# Altium PCB SPEC-A7.PcbDoc (part 10 of 10)
Units mm, origin at the board's own origin, x right, y up, seen from the top; angles counter-clockwise.
Board outline 160 x 100 mm, 6 copper layers (Top Layer, L2, L3, L4, L5, Bottom Layer), stack 1.61 mm thick; 746 components, 489 nets, 2774 pads, 1740 vias.
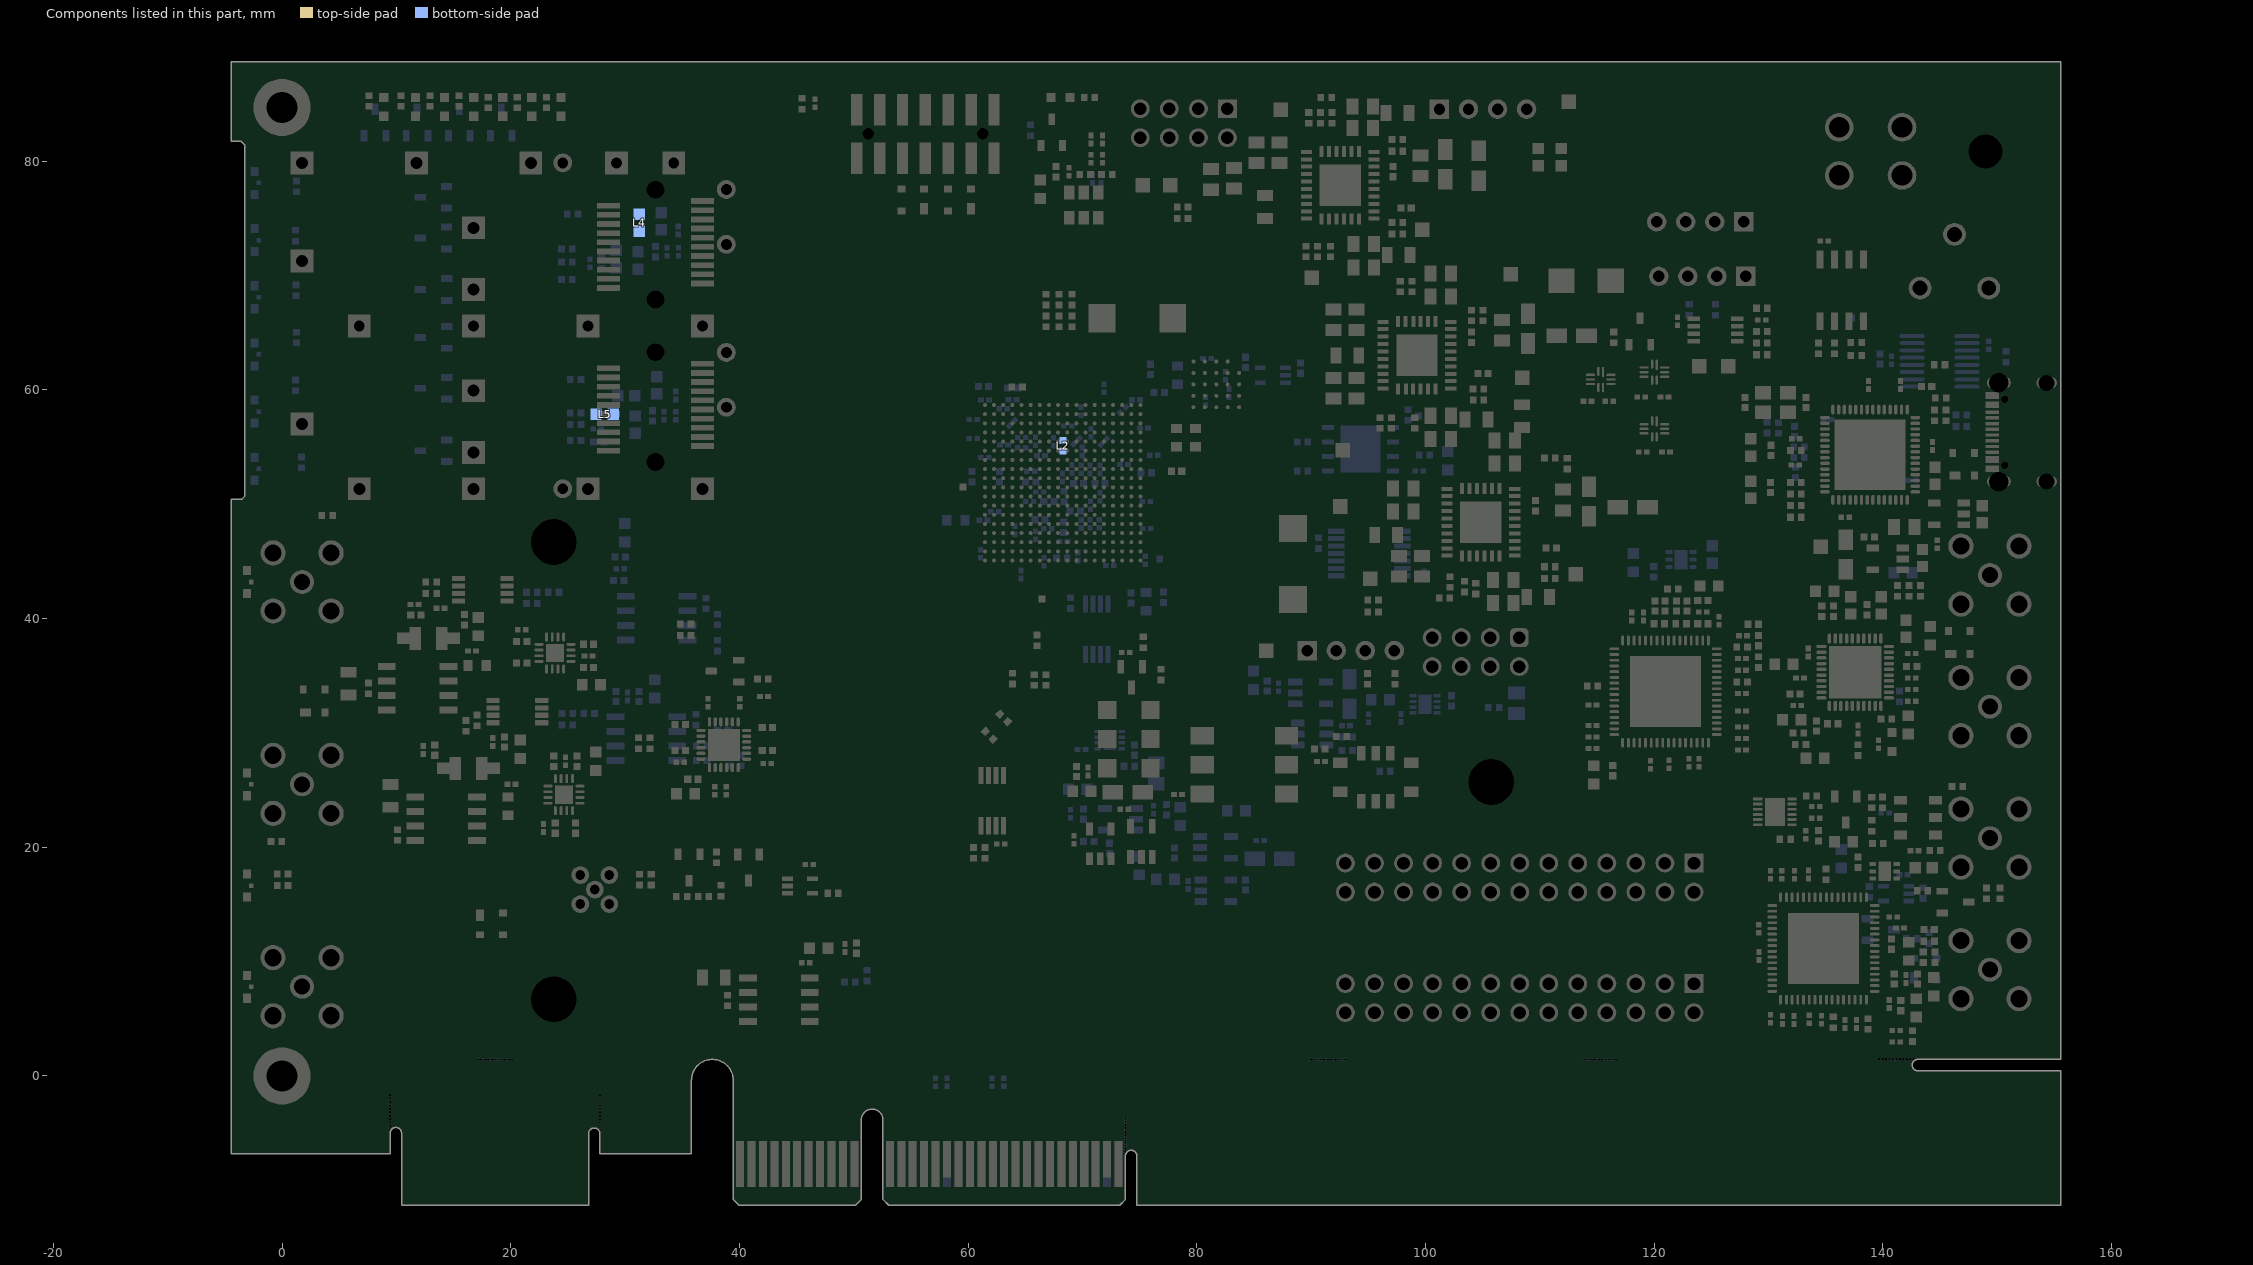
[diagram p14: the components of this part, seen from the top]

## Polygon pours and split planes (outlines as drawn) (continued)
P3V6_CLK on L4 "NetC18_2" (solid, remove dead copper, pour order 10): 135.875,26.225 134.161,26.225 133.473,25.537 133.473,24.277 134.197,23.552 135.297,23.552 135.581,23.269 138.52,20.33 138.85,19.999 138.85,17.853 138.218,17.221 127.74,17.31 118.65,26.4 118.65,48.7 118.05,49.3 111.75,49.3 110.866,48.4 110.866,29.035 104.643,22.812 77.95,22.812 77.95,35.799 96.25,35.8 105.532,45.182 105.532,54.816 106.05,55.334 106.05,58.9 107.05,59.9 112.35,59.9 116.65,55.6 125.05,55.6 134,46.65 145.3,46.65 147.3,44.65 147.257,37.607
P3V3PLL2 on L4 "NetC18_2" (solid, remove dead copper, pour order 16): 135.547,23.802 134.773,23.802 134.25,24.325 134.25,25.05 134.9,25.7 140.85,25.7 145.45,21.1 145.45,4.8 143.15,2.5 141.75,2.5 140.85,3.4 140.85,18.5
P1V0 on L4 "NetC18_2" (solid, remove dead copper, pour order 0): 65.146,49.863 67.686,47.323 81.021,47.323 83.815,44.529 90.478,44.529 95.245,49.295 95.245,64.976 92.578,67.643 73.147,67.643 65.146,59.642
MGTAVCC on L4 "NetC18_2" (solid, remove dead copper, pour order 11): 64.892,54.689 64.892,59.742 73.554,68.405 85.847,68.405 89.657,72.215 89.657,75.644 88.768,76.533 73.582,76.533 62.987,65.937 62.987,54.689
MGTAVTT on L4 "NetC18_2" (solid, remove dead copper, pour order 12): 99.23,86.82 99.85,86.2 99.85,83.8 98.65,82.6 97.502,82.6 91.562,76.66 73.528,76.66 62.86,65.992 62.86,54.689 62.098,53.927 59.406,53.927 57.119,56.213 57.119,67.617 71.75,82.248 83.307,82.248 87.879,86.82
P12V0 on L4 "NetC18_2" (solid, remove dead copper, pour order 7): 50.25,-5.128 50.25,-3.3 51.05,-2.5 52.15,-2.5 52.91,-3.261 52.91,-5.116 52.898,-5.128 69.972,-5.128 72.766,-2.334 72.766,1.222 74.544,3 85.847,3 94.102,11.255 102.304,11.255 117.978,26.928 117.978,48.339 111.755,48.339 111.755,26.605 107.55,22.4 91.636,22.4 85.72,16.843 80.513,11.636 71.369,11.636 63.368,3.635 43.937,3.635 39.746,-0.556 39.746,-5.128
NetC250_2 on L4 "NetC18_2" (solid, remove dead copper, pour order 15): 41.05,32.9 42.363,31.587 42.363,26.113 41.55,25.3 35.95,25.3 35.15,26.1 35.15,31.4 36.65,32.9
no net on Bottom Solder "NONET_L03_P-001" (solid): 135.8,53.8 142,53.8 142,51.3 135.8,51.3
no net on Bottom Solder "NONET_L03_P-001" (solid): 139.584,18.742 139.584,17.06 140.689,17.06 140.689,18.756 139.573,18.756
no net on Bottom Solder "NONET_L03_P-001" (solid): 129.679,24.319 129.679,21.9 131.455,21.9 131.455,24.307 129.687,24.307
no net on Bottom Solder "NONET_L03_P-001" (solid): 131.851,14.198 137.877,14.198 137.877,8.051 131.752,8.051 131.752,14.099
no net on Bottom Solder "NONET_L03_P-001" (solid): 139.6,37.5 139.6,33.3 135.6,33.3 135.6,37.5
no net on Bottom Solder "NONET_L03_P-001" (solid): 135.8,57.4 142,57.4 142,55.3 135.8,55.3
no net on Bottom Solder "NONET_L03_P-001" (solid): 90.761,79.665 94.311,79.665 94.311,76.115 90.761,76.115
no net on Bottom Solder "NONET_L03_P-001" (solid): 97.466,64.804 101.016,64.804 101.016,61.254 97.466,61.254
no net on Bottom Solder "NONET_L03_P-001" (solid): 103.047,50.205 106.643,50.205 106.643,46.649 103.054,46.649
no net on Bottom Solder "NONET_L03_P-001" (solid): 117.858,30.494 124.088,30.494 124.088,36.697 117.858,36.697
GND on L2 (split plane): 369 vertices, not listed, extent -3.94,-10.79 155.039,88.189
GND on L5 (split plane): 364 vertices, not listed, extent -3.94,-10.79 155.039,88.189

## Keep-outs
Top Layer:
  region: 2.68,88.684 2.68,86.184 155.58,86.184 155.58,88.684
  lines w0.1: 97.95,28.3 100.05,28.3 103.25,31.5 105.95,31.5 106.35,31.9 108.15,31.9 110.05,33.8 110.05,36.5 113.75,40.2 115.05,40.2 119.15,44.3 121.55,44.3 121.75,44.1 128.05,44.1 130.75,41.4 130.75,40.1 ; 99.25,26.5 99.85,26.5 103.25,29.9 106.35,29.9 107.15,30.7 109.15,30.7 111.65,33.2 111.65,36 114.15,38.5 115.95,38.5 117.35,39.9 117.35,40.4 ; 126.35,43.4 128.639,41.11 128.639,40.759 128.639,39.971
Bottom Layer:
  region: 2.65,88.7 2.65,86.2 155.55,86.2 155.55,88.7
  lines w0.1: 80.25,27.9 80.25,29 80.75,29.5 85.25,29.5 86.781,27.969 93.931,27.969 94.12,27.78 97.97,27.78 98.45,27.3 98.45,25.9 98.05,25.5 93.55,25.5 92.75,26.3 84.95,26.3 83.75,27.5 80.65,27.5 80.25,27.9
Keep-Out Layer:
  circle w0.254: c23.75,6.7 r2.368
  circle w0.254: c105.75,25.7 r2.368
  circle w0.254: c23.75,46.7 r2.368

## Other copper
Top Layer:
  rectangle net P5V0: 97.713,70.8 99.25,72.684
  rectangle net NetC13_2: 91.45,60.6 94.15,61.6
  rectangle net NetC13_2: 91.25,64.5 94.767,65.498
  region net P3V6_CLK: 107.35,57.8 107.55,57.6 109.15,57.6 109.55,58 109.55,59.3 109.25,59.6 107.65,59.6 107.35,59.3
  region net P3V3: 111.55,43 111.95,42.6 111.95,40.4 110.35,40.4 109.95,40.8 109.95,42.7 110.25,43
  region net NetC22_2: 84.45,78.773 83.977,78.3 80.45,78.3 80.45,76.7 80.698,76.451 86.964,76.451 88.386,75.406 89.95,75.406 89.95,76.451 89.11,76.451 88.641,76.7 88.641,79.089 88.895,79.343 89.75,79.343 89.75,79.989 89.38,80.359 84.45,80.359
  region net P2V5: 94.65,48.4 94.45,48.2 94.45,46.6 94.85,46.2 96.15,46.2 96.45,46.5 96.45,48.1 96.15,48.4
  region net P1V8: 106.55,58.3 106.35,58.5 104.75,58.5 104.35,58.1 104.35,56.8 104.65,56.5 106.25,56.5 106.55,56.8
  region net MGTAVCC: 87.05,75.9 86.85,76.1 85.25,76.1 84.85,75.7 84.85,74.4 85.15,74.1 86.75,74.1 87.05,74.4
  region net P1V0: 93.05,61.9 93.25,62.1 93.25,63.7 92.85,64.1 91.55,64.1 91.25,63.8 91.25,62.2 91.55,61.9
  region net MGTAVTT: 99.45,83.1 99.65,83.3 99.65,84.9 99.25,85.3 97.95,85.3 97.65,85 97.65,83.4 97.95,83.1
  region net P3V3PLL2: 141.15,18.715 142.865,18.715 142.865,17.726 141.15,17.726
  region net NetC34_2: 101.595,50.879 100.833,50.879 99.563,52.149 98.166,52.149 98.166,48.72 97.277,47.831 97.05,47.831 97.05,45.418 100.452,45.418 101,45.965 101.595,45.965 101.595,46.969 101,46.969 101,49.863 101.595,49.863
  region net NetC19_2: 102.658,60.235 100.753,60.235 100.626,60.108 100.626,59.346 101.161,58.811 101.161,54.901 103.166,54.901 103.166,56.335 103.866,56.756 103.864,57.983 103.166,58.381 103.166,59.727
  region net NetC41_2: 108.299,45.686 106.394,45.686 106.267,45.559 106.267,44.797 106.802,44.262 106.802,40.352 109.342,40.352 109.342,44.643
  region net P12V0: 39.746,-5.89 39.749,-5.887 42.391,-5.887 42.391,-3.329 42.159,-3.096 39.873,-3.096 39.746,-3.223
  region net Spare1V: 100.806,65.752 100.679,65.879 100.679,66.768 101.441,67.53 101.441,71.086 103.981,71.086 103.981,68.038 102.965,67.022 102.965,65.752
  region net P12V0: 102.1,64.228 105.378,64.228 105.759,64.609 112.352,64.609 112.352,62.577 107.029,62.577 104.108,62.577 103.6,63.085 102.1,63.085
  region net P12V0: 112.63,47.972 114.803,45.799 117.47,45.799 117.92,46.249 117.92,50.004 111.347,50.004 110.966,49.623 107.7,49.623 107.7,48.48 109.188,48.48 109.696,47.972
  region net NetC39_2: 106.394,51.147 106.267,51.274 106.267,52.163 107.029,52.925 107.029,56.84 109.569,56.84 109.569,52.163 108.553,51.147
  region net NetC13_2: 96.278,65.304 96.084,65.498 93.45,65.498 93.45,60.545 96.361,60.545 96.361,61.561 95.345,61.561 95.345,64.228 95.599,64.482 96.278,64.482
  region net NetC28_2: 96.007,75.152 94.102,75.152 93.975,75.025 93.975,74.263 94.737,73.501 94.737,69.818 96.282,69.818 97.277,70.559 97.277,73.501 96.515,74.263 96.515,74.644
  region net NetC26_2: 94.102,80.613 93.975,80.74 93.975,81.525 94.737,82.287 94.737,85.6 97.277,85.6 97.277,82.899 96.261,81.883 96.261,80.613
  region net P12V0: 95.4,79.089 98.674,79.089 99.055,79.47 112.583,79.47 112.583,76.665 101.097,76.665 100.325,77.438 97.404,77.438 96.896,77.946 95.4,77.946
Bottom Layer:
  rectangle net P3V6_CLK: 78.35,25.051 79.162,26.2
  rectangle net P3V6_CLK: 117.7,45.2 120.05,46.2
  rectangle net P3V6_CLK: 137.15,17.5 137.837,18
  region net P3V3PLL1: 123.45,44.345 124.953,44.345 124.953,45.334 123.45,45.334
  region net P12V0: 40.635,-5.89 42.413,-5.89 42.413,-3.35 42.159,-3.096 40.889,-3.096 40.635,-3.35
L2 (plane layer: these items are gaps in the copper):
  rectangle: 39.65,-11.3 73.45,-5.5
L5 (plane layer: these items are gaps in the copper):
  rectangle: 61.833,-1.248 62.433,0.152
  rectangle: 62.833,-1.248 63.433,0.152
  rectangle: 57.85,-1.3 58.45,0.1
  rectangle: 56.85,-1.3 57.45,0.1
  rectangle: 39.45,-11.4 73.75,-5.6

## Silkscreen, mask and mechanical layers (free items; w line width, h text height)
Top Overlay:
  drawing of 20 lines, arcs and shapes, not listed
  text "3.3V" at 100.35,86.301 h1
  text "SDA" at 102.85,86.301 h1
  text "SCL" at 105.55,86.301 h1
  text "GND" at 108.05,86.301 h1
  text "SPEC A7 v.P_version" at 115.95,84.401 h3
  text "1.2V" at 86.097,83.403 h0.9 r90
  text "12V" at 111.553,82.903 h0.9
  text "WUT ISE 2024" at 115.95,82.851 h1.52
  text "2.5V" at 13.847,81.003 h0.9 r90
  text "12V" at 16.409,81.003 h0.9 r90
  text "3.3V" at 18.809,81.003 h0.9 r90
  text "1.0V" at 21.409,81.003 h0.9 r90
  text "5.0V" at 23.709,81.003 h0.9 r90
  text "1.2V" at 8.447,80.903 h0.9 r90
  text "1.8V" at 11.247,80.903 h0.9 r90
  text "RX" at 77.181,79.127 h0.9
  text "TX" at 74.061,79.091 h0.9
  text "GND" at 119.167,76.439 h1
  text "EN3" at 127.023,76.442 h1
  text "EN2" at 121.85,76.4 h1
  text "GND" at 124.267,76.339 h1
  text "PG2" at 100.95,73.1 h1
  text "GND" at 119.35,71.6 h1
  text "SCL1" at 121.95,71.6 h1
  text "SDA1" at 124.55,71.6 h1
  text "3.3V" at 127.45,71.6 h1
  text "1.0V" at 88.647,69.103 h0.9 r90
  text "5.0V" at 106.453,67.903 h0.9
  text "PG1" at 109.698,60.224 h1
  text "SDA" at 122.353,59.803 h0.9
  text "SCL" at 125.453,59.803 h0.9
  text "USB" at 123.963,58.547 h0.9
  text "1.8V" at 91.753,56.103 h0.9
  text "3.3V" at 91.153,51.103 h0.9
  text "RF" at 150.755,49.501 h1.27
  text "OUT" at 150.635,47.72 h1.27
  text "10M OUT" at -2.447,47.203 h1.27
  text "2.5V" at 94.238,44.719 h0.9
  text "PG3" at 114.398,43.624 h1
  text "SDA3" at 91.216,38.802 h1
  text "SCL3" at 93.916,38.802 h1
  text "3.3V" at 88.716,38.801 h1
  text "GND" at 96.416,38.8 h1
  text "GND" at 84.853,38.503 h0.9
  text "PPS OUT" at -2.647,29.803 h1.27
  text "RF OUT" at 146.603,27.003 h1.27
  text "10M IN" at 147.803,24.703 h1.27
  text "TOD IN" at 25.42,18.875 h1.27
  text "PPS IN" at 148.153,13.303 h1.27
  text "TOD OUT" at -2.447,12.103 h1.27
  text "DO NOT / remove" at 14.179,-8.7 h1.52
  text "DO NOT / remove" at 110.579,-8.7 h1.52
Bottom Overlay:
  lines w0.5: 154.845,-0.3 75.254,-0.3 75.254,-10.7 154.854,-10.7 154.854,-0.308 ; 11.437,-10.391 11.437,-0.591 26.058,-0.591 26.058,-10.391 11.437,-10.391
  text "DO NOT / remove" at 23.329,-8.69 h1.52
  text "DO NOT / remove" at 119.725,-8.7 h1.52
Bottom Solder:
  circle w0.4: c37.705,28.233 r0.12
  circle w0.4: c37.422,29.532 r0.12
  circle w0.4: c39.737,29.503 r0.12
Mechanical 1:
  drawing of 500 lines, arcs and shapes, not listed
  text "Layer" at 19.418,143.522 h1.52
  text "Name" at 29.83,143.522 h1.52
  text "Material" at 53.446,143.522 h1.52
  text "Thickness" at 75.284,143.522 h1.52
  text "Constant" at 91.789,143.522 h1.52
  text "Board Layer Stack" at 106.264,143.522 h1.52
  text "Top Overlay" at 29.83,140.474 h1.52
  text "Top Solder" at 29.83,137.426 h1.52
  text "Solder Resist" at 53.446,137.426 h1.52
  text "0.010mm" at 75.284,137.426 h1.52
  text "3.5" at 91.789,137.426 h1.52
  text "1" at 19.418,134.378 h1.52
  text "Top Layer" at 29.83,134.378 h1.52
  text "0.035mm" at 75.284,134.378 h1.52
  text "Dielectric1" at 29.83,131.33 h1.52
  text "FR-4" at 53.446,131.33 h1.52
  text "0.100mm" at 75.284,131.33 h1.52
  text "4.7" at 91.789,131.33 h1.52
  text "2" at 19.418,128.282 h1.52
  text "L2" at 29.83,128.282 h1.52
  text "0.035mm" at 75.284,128.282 h1.52
  text "Dielectric5" at 29.83,125.234 h1.52
  text "FR-4" at 53.446,125.234 h1.52
  text "0.100mm" at 75.284,125.234 h1.52
  text "4.7" at 91.789,125.234 h1.52
  text "3" at 19.418,122.186 h1.52
  text "L3" at 29.83,122.186 h1.52
  text "0.035mm" at 75.284,122.186 h1.52
  text "Dielectric2" at 29.83,119.138 h1.52
  text "FR-4" at 53.446,119.138 h1.52
  text "1.000mm" at 75.284,119.138 h1.52
  text "4.8" at 91.789,119.138 h1.52
  text "4" at 19.418,116.09 h1.52
  text "L4" at 29.83,116.09 h1.52
  text "0.035mm" at 75.284,116.09 h1.52
  text "Dielectric3" at 29.83,113.042 h1.52
  text "FR-4" at 53.446,113.042 h1.52
  text "0.100mm" at 75.284,113.042 h1.52
  text "4.7" at 91.789,113.042 h1.52
  text "5" at 19.418,109.994 h1.52
  text "L5" at 29.83,109.994 h1.52
  text "0.035mm" at 75.284,109.994 h1.52
  text "Dielectric4" at 29.83,106.946 h1.52
  text "FR-4" at 53.446,106.946 h1.52
  text "0.100mm" at 75.284,106.946 h1.52
  text "4.7" at 91.789,106.946 h1.52
  text "6" at 19.418,103.898 h1.52
  text "Bottom Layer" at 29.83,103.898 h1.52
  text "0.035mm" at 75.284,103.898 h1.52
  text "Bottom Solder" at 29.83,100.85 h1.52
  text "Solder Resist" at 53.446,100.85 h1.52
  text "0.010mm" at 75.284,100.85 h1.52
  text "3.5" at 91.789,100.85 h1.52
  text "Bottom Overlay" at 29.83,97.802 h1.52
  text "Total board thickness:" at 19.418,94.754 h1.52
  text "1.630mm" at 75.284,94.754 h1.52
Mechanical 4:
  lines w0.1: -18.175,-11.3 34.45,-11.3 ; -4.45,-13.322 -4.45,-6.801 ; 0.034,-0.033 0.034,99.184
  lines w0.2: -6.45,-26.501 -7.45,-26.501 -7.45,93.56 ; -6.45,-26.461 -6.45,-12.801 -4.95,-12.801 -4.95,93.56 ; -4.95,-5.93 5.15,-5.93 5.15,2.019 ; -4.95,81.299 5.15,81.299 ; -4.95,85.999 1.05,85.999 ; -7.45,93.56 -18.01,93.56 -18.01,96.06 -4.95,96.06 -4.95,93.56 ; -7.45,93.56 -4.95,93.56

## Text inside footprints (layer, text, board x,y; h text height)
Cage1: Drill Drawing "PRESS-FIT" at 6.25,60.5 h1; Drill Drawing "13x diam. 1.05mm +/-0.05" at 3.45,56.9 h1; Drill Drawing "12x diam. 0.95mm +/-0.05" at 3.25,62.8 h1; Drill Drawing "TECHNOLOGY" at 5.45,58.6 h1; Mechanical 8 "Component and Trace Keep-Out / Except Cage Chassis Ground" at 1.05,52.1 h1 r90; Mechanical 8 "1" at 29.85,76.375 h1 r270; Mechanical 8 "10" at 29.85,69.525 h1 r270; Mechanical 8 "11" at 34.45,69.825 h1 r270; Mechanical 8 "20" at 34.45,77.213 h1 r270; Mechanical 8 "1" at 29.85,62.125 h1 r270; Mechanical 8 "10" at 29.85,55.275 h1 r270; Mechanical 8 "11" at 34.45,55.575 h1 r270; Mechanical 8 "20" at 34.45,62.963 h1 r270
IC1: Drill Drawing "soldermask defined pads,  / do not increase/decrease  / soldermask aperture in this area" at 88.6,76.654 h1.2 r270
IC3: Drill Drawing "soldermask defined pads,  / do not increase/decrease  / soldermask aperture in this area" at 94.188,62.049 h1.2 r270
J4: Top Overlay "1" at 140.716,85.326 h1.2 r270; Mechanical 14 "1" at 140.716,85.326 h1.2 r270
J14: Top Overlay "B1" at 40.339,-5.204 h0.76 r90; Top Overlay "B11" at 50.339,-5.204 h0.76 r90; Top Overlay "B12" at 53.439,-5.204 h0.76 r90; Top Overlay "B18" at 59.439,-5.204 h0.76 r90; Top Overlay "B32" at 73.439,-5.202 h0.76 r90; Bottom Overlay "A1" at 39.501,-5.28 h0.76 r270; Bottom Overlay "A11" at 49.501,-5.28 h0.76 r270; Bottom Overlay "A12" at 52.601,-5.28 h0.76 r270; Bottom Overlay "A18" at 58.601,-5.28 h0.76 r270; Bottom Overlay "A32" at 72.601,-5.278 h0.76 r270
J18: Top Overlay "2" at 125.901,5.91 h1.02 r180; Top Overlay "1" at 125.601,8.61 h1.02 r180; Top Overlay "25" at 91.261,8.61 h1.02 r180; Top Overlay "26" at 91.261,5.91 h1.02 r180
J19: Top Overlay "1" at 84.802,85.115 h1.02 r180; Top Overlay "2" at 85,83.7 h1.02 r180; Top Overlay "7" at 73.322,85.115 h1.02 r180; Top Overlay "8" at 73.322,82.415 h1.02 r180
J20: Top Overlay "26" at 91.261,16.451 h1.02 r180; Top Overlay "25" at 91.261,19.151 h1.02 r180; Top Overlay "1" at 125.601,19.151 h1.02 r180; Top Overlay "2" at 125.901,16.451 h1.02 r180